# Altium PCB XTIDA-010086.PcbDoc (part 5 of 17)
Units mm, origin at the board's own origin, x right, y up, seen from the top; angles counter-clockwise.
Board outline 375 x 210 mm, 6 copper layers (Top Layer, GND Layer, Signal Layer 1, Signal Layer 2, Power Layer, Bottom Layer), stack 1.575 mm thick; 1884 components, 1036 nets, 4948 pads, 6791 vias.
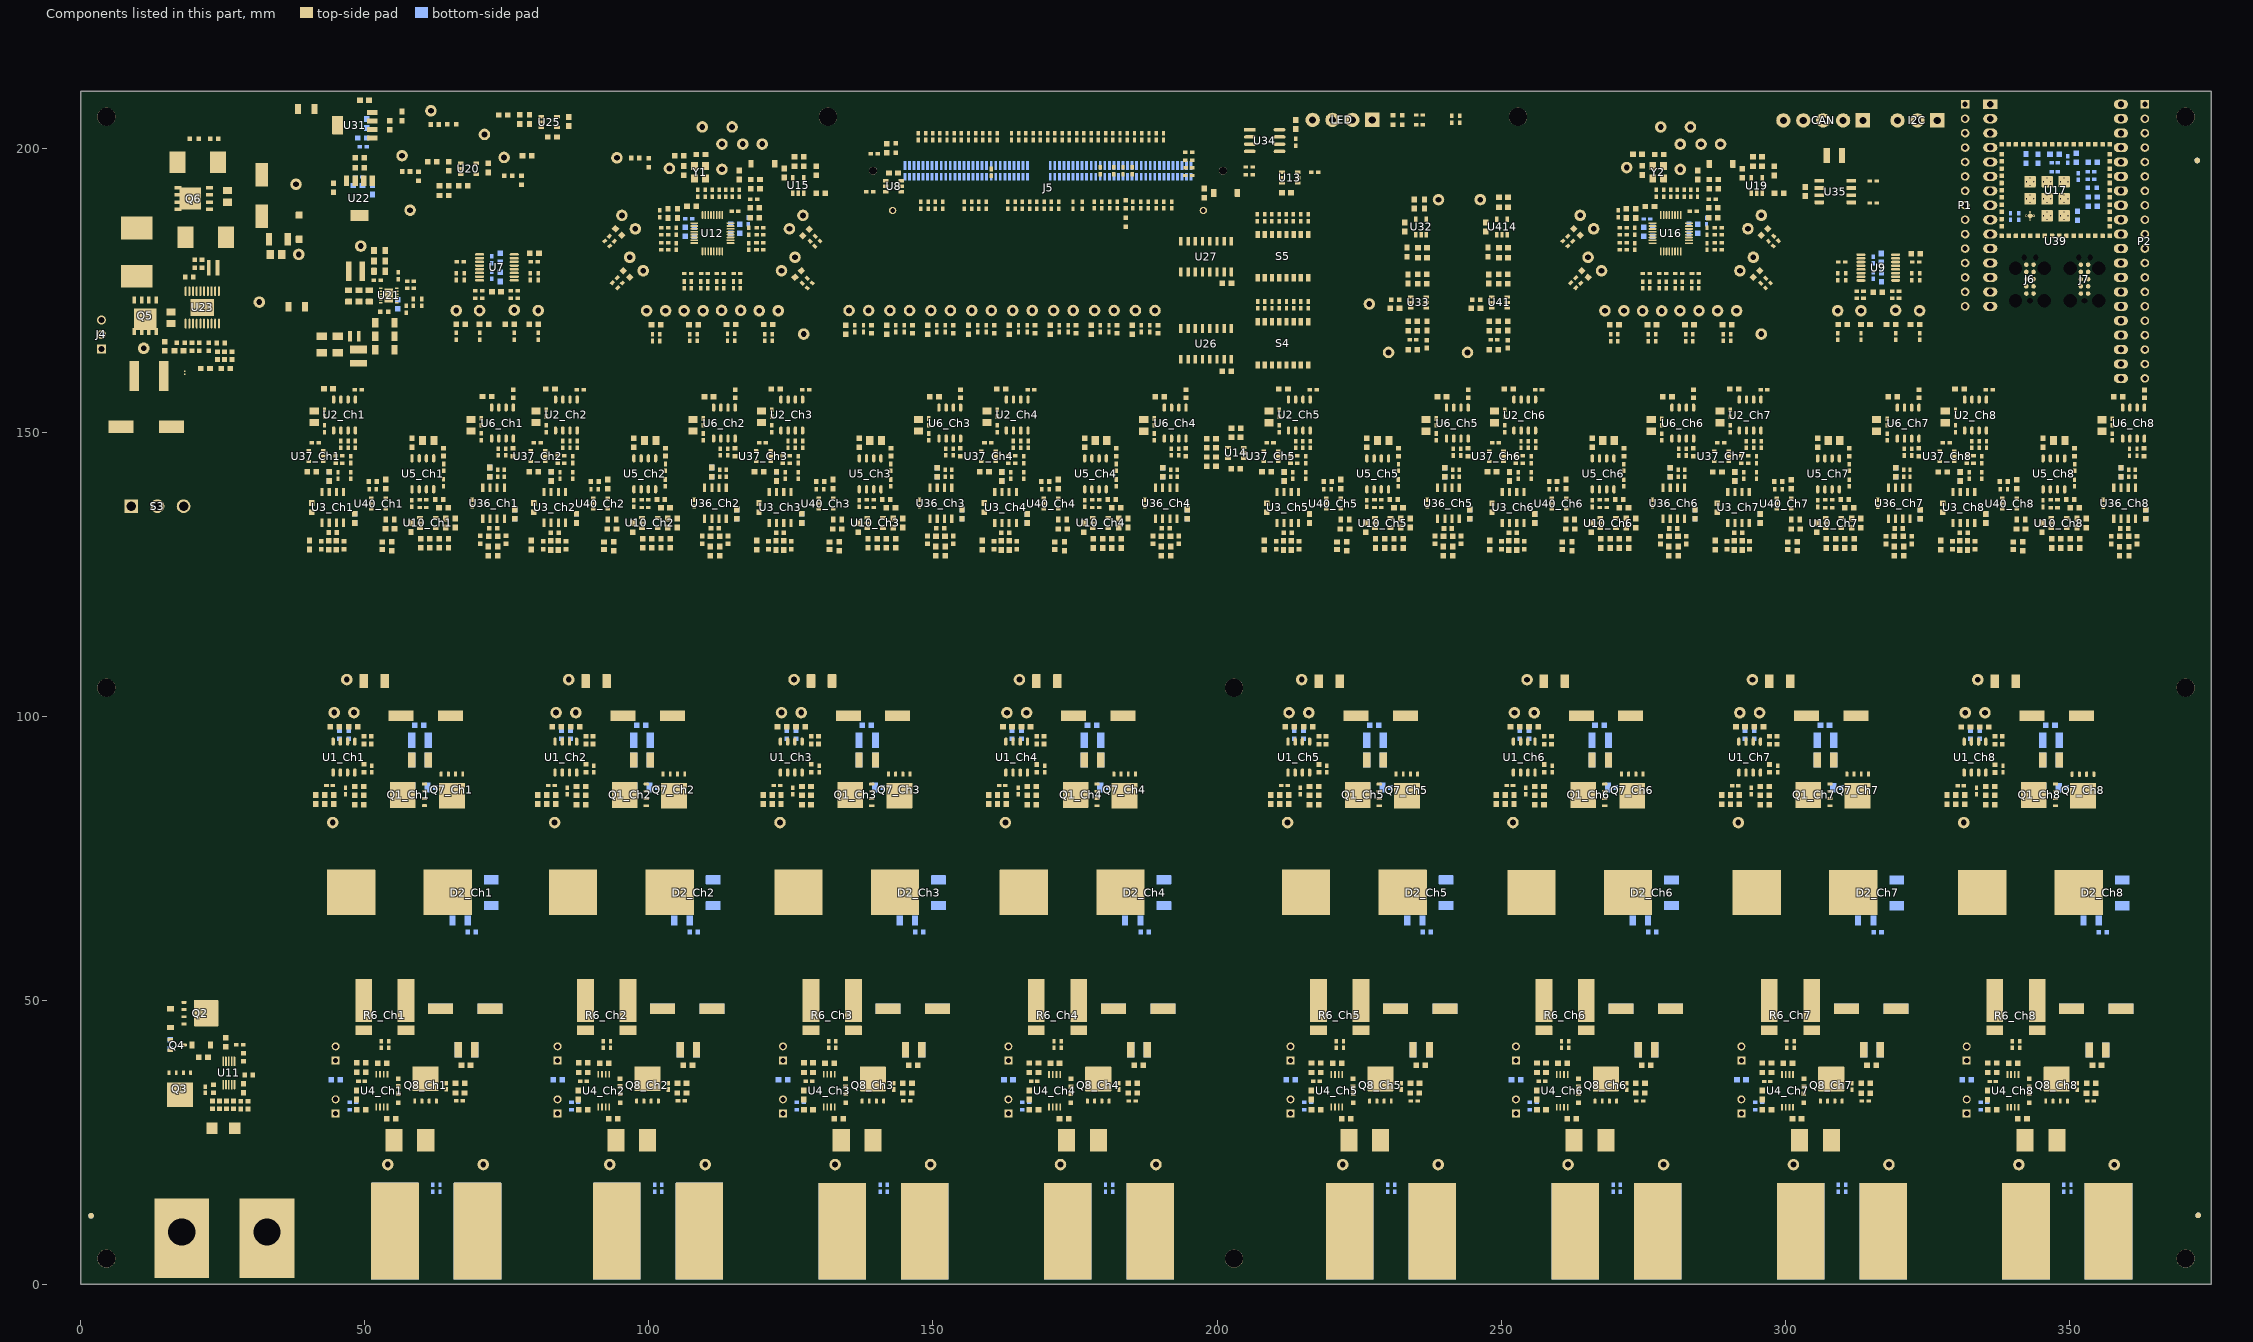
[diagram p9: the components of this part, seen from the top]

## Components (designator, comment, footprint, x,y, rotation, side; value= is the part's Value field where it differs from the comment) (continued)
U37_Ch2 "OPA320AIDBVR" DBV0005A_L#1 80.459,145.751 r180 top (schematic designator U37)
U37_Ch3 "OPA320AIDBVR" DBV0005A_L#1 120.134,145.749 r180 top (schematic designator U37)
U37_Ch4 "OPA320AIDBVR" DBV0005A_L#1 159.809,145.747 r180 top (schematic designator U37)
U37_Ch5 "OPA320AIDBVR" DBV0005A_L#1 209.484,145.745 r180 top (schematic designator U37)
U37_Ch6 "OPA320AIDBVR" DBV0005A_L#1 249.158,145.743 r180 top (schematic designator U37)
U37_Ch7 "OPA320AIDBVR" DBV0005A_L#1 288.833,145.741 r180 top (schematic designator U37)
U37_Ch8 "OPA320AIDBVR" DBV0005A_L#1 328.508,145.739 r180 top (schematic designator U37)
U39 "ESP32 LOLIN32 V1.0.0" ESP32_LOLIN32_V1 336.118,207.696 r0 top
U40_Ch1 "TLV9001IDBVR" DBV0005A_L#2 52.4,137.414 r0 top value=Value (schematic designator U40)
U40_Ch2 "TLV9001IDBVR" DBV0005A_L#2 91.465,137.412 r0 top value=Value (schematic designator U40)
U40_Ch3 "TLV9001IDBVR" DBV0005A_L#2 131.14,137.41 r0 top value=Value (schematic designator U40)
U40_Ch4 "TLV9001IDBVR" DBV0005A_L#2 170.815,137.408 r0 top value=Value (schematic designator U40)
U40_Ch5 "TLV9001IDBVR" DBV0005A_L#2 220.49,137.406 r0 top value=Value (schematic designator U40)
U40_Ch6 "TLV9001IDBVR" DBV0005A_L#2 260.165,137.404 r0 top value=Value (schematic designator U40)
U40_Ch7 "TLV9001IDBVR" DBV0005A_L#2 299.839,137.402 r0 top value=Value (schematic designator U40)
U40_Ch8 "TLV9001IDBVR" DBV0005A_L#2 339.514,137.4 r0 top value=Value (schematic designator U40)
U41 "OPA837IDBVR" DBV6_TEX 249.713,172.811 r180 top
U414 "OPA378AIDBVT" DBV0005A_N#1 250.17,186.095 r90 top
Y1 "SIT8924BA-22-33E-8.192000G" SITIME_SIT8924B_2 108.994,195.733 r0 top
Y2 "SIT8924BA-22-33E-8.192000G" SITIME_SIT8924B_2 277.668,195.75 r0 top
ZZ1 "This Assembly Note is for PCB labels only" ASSEMBLYNOTELABEL 11.862,232.664 r0 top
ZZ2 "These assemblies are ESD sensitive, ESD precautions shall be observed." ASSEMBLYNOTE 11.887,230.886 r0 top
ZZ3 "These assemblies must be clean and free from flux and all contaminants. Use of no clean flux is not acceptable." ASSEMBLYNOTE 11.913,229.235 r0 top
ZZ4 "These assemblies must comply with workmanship standards IPC-A-610 Class 2, unless otherwise specified." ASSEMBLYNOTE 11.938,227.533 r0 top

## Footprints (in the part's own frame and the unit in brackets; to place one, negate y for a bottom-side part, rotate by r counter-clockwise, add the part's x,y. Pads: shape width x height; smd on the part's side, far side on the other; paste and mask are expansions set on the pad)
14-1210 [mm] "Chip Resistor, Body 3.2x2.5mm, IPC High Density"
  rect 1.1x2.6 smd: 1(-1.35,0) 2(1.35,0)
  silkscreen extent -0.4,-1.2 0.4,1.2, body extent -1.68,-1.32 1.68,1.32, height 0.9
0402 [mm] "0402 from SM-752 data"
  rect 0.8x0.6 smd: 1(-0.6,0) 2(0.6,0)
  silkscreen extent -1.22,-0.52 1.22,0.52, body extent -0.55,-0.3 0.55,0.3, height 0.6
0603 [mm] "0603 from SM-752 data"
  rect 1x0.95 smd: 1(-0.8,0) 2(0.8,0)
  silkscreen extent -1.52,-0.69 1.52,0.69, body extent -0.87,-0.47 0.87,0.47, height 1
0603_HV [mil] "Ernesto recommended land pattern.  26 mil between pads."
  rect 30x30 smd: 1(-28,0) 2(28,0)
  silkscreen extent -52,-24 52,24, body extent -34,-19 34,19, height 39
0603C [mm]
  rect 0.8x0.8 smd paste-10: 1(-0.8,0) 2(0.8,0)
  silkscreen extent -1.45,-0.65 1.45,0.65, body extent -0.8,-0.4 0.8,0.41, height 1.02
0603L [mm] "0603 from SM-752 data"
  rect 0.8x0.85 smd: 1(-0.7,0) 2(0.7,0)
  silkscreen extent -0.07,-0.32 0.07,0.32, body extent -0.87,-0.47 0.87,0.47, height 1
0603R [mm]
  rect 0.8x0.8 smd paste-10: 1(-0.8,0) 2(0.8,0)
  silkscreen extent -1.45,-0.65 1.45,0.65, body extent -0.8,-0.4 0.8,0.4, height 0.45
0612 [mm] "Panasonic recommended land pattern, fb97d03ed01.pdf dated April 2008"
  rect 0.65x2.75 smd: 1(-0.775,0) 2(0.775,0)
  silkscreen extent -1.1,-1.9 1.1,1.9, body extent -0.9,-1.7 0.9,1.7, height 0.85
0805_HV [mil] "0805 with 30mil clearance between pads"
  rect 50x63 smd: 1(-40,0) 2(40,0)
  silkscreen extent -74,-40 74,40, body extent -43,-29 43,29, height 57
0805_HV1 [mm] "Custom footprint based on analyzing multiple manufacturer recommendations"
  rrect10% 1x1.25 smd: 1(-1,0) 2(1,0)
  silkscreen extent -0.2,-0.75 0.2,0.75, body extent -1.1,-0.72 1.1,0.73, height 1.45
1206 [mm] "1206 from SM-752 data"
  rect 1.3x1.85 smd: 1(-1.45,0) 2(1.45,0)
  silkscreen extent -2.4,-1.21 2.4,1.21, body extent -1.7,-0.9 1.7,0.9, height 1.35
1206_190 [mm] "1206_190"
  rect 1.1x1.6 smd: 1(-1.7,0) 2(1.7,0)
  silkscreen extent -0.9,-1 0.9,1, body extent -1.75,-0.95 1.75,0.95, height 1.9
1206L [mm] "1206 from SM-752 data"
  rect 1.1x1.75 smd: 1(-1.35,0) 2(1.35,0)
  silkscreen extent -0.4,-0.77 0.4,0.77, body extent -1.7,-0.9 1.7,0.9, height 1.35
1210_270 [mm] "1210"
  rect 1.3x2.7 smd: 1(-1.45,0) 2(1.45,0)
  silkscreen extent -2.32,-1.57 2.32,1.57, body extent -1.7,-1.35 1.7,1.35, height 2.7
1210_280 [mm] "SMD, 2-Leads, Body 3.6x2.8mm, Height 2.8mm"
  rect 1.1x2.2 smd: 1(-1.65,0) 2(1.65,0)
  silkscreen extent -0.84,-1.4 0.84,1.4, body extent -1.8,-1.4 1.8,1.4, height 2.8
1806_HIGHSPEED [mm] "Wurth recommended land pattern"
  rrect8% 1.25x1.2 smd: 1(-2.125,0) 2(2.125,0)
  silkscreen extent -1.5,-1 1.5,1, body extent -2.25,-0.8 2.25,0.8, height 1.61
2220_250 [mm] "2220"
  rect 1.6x5.3 smd: 1(-2.6,0) 2(2.6,0)
  silkscreen extent -3.69,-2.94 3.69,2.94, body extent -2.95,-2.62 2.95,2.62, height 2.5
5108 [mm] "Keystone"
  rect 1.01x1.73 smd: 1(-1.445,0) 2(1.445,0)
  body extent -1.52,-0.85 1.52,0.85, height 0.71
6125FA [mm] "Cooper Bussman 6125FA Brick Fuses, recommended land pattern OC-2531 Rev. I 3/07"
  rect 3x4 smd: 1(-2.8,0) 2(2.8,0)
  silkscreen extent -4.57,-2.27 4.57,2.27, body extent -3.17,-1.42 3.17,1.41, height 2.84
ASSEMBLYNOTE [mm] "Assembly Note"
ASSEMBLYNOTELABEL [mm] "Assembly Note for PCB Labels"
CAPSMT_62_F12 [mm] "F12, SMD, 2-Leads, Body 10.5x10.5mm, Height 12.7mm"
  rect 4.4x1.9 smd: 1(-4.35,0) 2(4.35,0)
  silkscreen extent -5.25,-5.25 5.25,5.25, body extent -5.25,-5.25 5.25,5.25, height 12.71
CAPSMT_62_HC0 [mm] "8 x 12mm:  Chemi-Con HC0"
  rect 4.2x2.2 smd: 1(-3.638,0.012) 2(3.662,0.012)
  silkscreen extent -4.24,-4.24 4.26,4.26, body extent -4.24,-4.24 4.26,4.26, height 12.5
CAPSMT_62_JA0 [mm] "10 x 10mm:  Chemi-Con JA0"
  rect 4.4x2.2 smd: 1(-4.45,0) 2(4.45,0)
  silkscreen extent -5.25,-5.25 5.25,5.25, body extent -5.25,-5.25 5.25,5.25, height 10.5
CB35-36-CY [mil] "Terminal 50A Lug"
  rect 550x380 hole 188 copper offset -45,0 paste-190: 1(0,0)
  body extent -960,-189 230,191, height 614
CC3220MODASF12MONR [mm]
  rrect12% 0.8x0.8 smd paste-0.03: 1(-11.774,9.525) 2(-11.774,8.255) 3(-11.774,6.985) 4(-11.774,5.715) 5(-11.774,4.445) 6(-11.774,3.175) 7(-11.774,1.905) 8(-11.774,0.635) 9(-11.774,-0.635) 10(-11.774,-1.905) 11(-11.774,-3.175) 12(-11.774,-4.445) 13(-11.774,-5.715) 14(-11.774,-6.985) 15(-11.774,-8.255) 16(-11.774,-9.525) 17(-10.074,-9.524) 18(-8.804,-9.524) 19(-7.534,-9.524) 20(-6.264,-9.524) 21(-4.994,-9.524) 22(-3.724,-9.524) 23(-2.454,-9.524) 24(-1.184,-9.524) 25(0.086,-9.524) 26(1.356,-9.524) 27(2.626,-9.524) 28(4.326,-9.525) 29(4.326,-8.255) 30(4.326,-6.985) 31(4.326,-5.715) 32(4.326,-4.445) 33(4.326,-3.175) 34(4.326,-1.905) 35(4.326,-0.635) 36(4.326,0.635) 37(4.326,1.905) 38(4.326,3.175) 39(4.326,4.445) 40(4.326,5.715) 41(4.326,6.985) 42(4.326,8.255) 43(4.326,9.525) 44(2.626,9.524) 45(1.356,9.524) 46(0.086,9.524) 47(-1.184,9.524) 48(-2.454,9.524) 49(-3.724,9.524) 50(-4.994,9.524) 51(-6.264,9.524) 52(-7.534,9.524) 53(-8.804,9.524) 54(-10.074,9.524)
  round 0.4 hole 0.2 mask+0.102: PAD(-8.874,-1.5) PAD(-8.874,1.5) PAD(-8.874,4.5) PAD(-8.224,-2.15) PAD(-8.224,-0.85) PAD(-8.224,0.85) PAD(-8.224,2.15) PAD(-8.224,3.85) PAD(-8.224,5.15) PAD(-7.574,-1.5) PAD(-7.574,1.5) PAD(-7.574,4.5) PAD(-5.874,-1.5) PAD(-5.874,1.5) PAD(-5.874,4.5) PAD(-5.224,-2.15) PAD(-5.224,-0.85) PAD(-5.224,0.85) PAD(-5.224,2.15) PAD(-5.224,3.85) PAD(-5.224,5.15) PAD(-4.574,-1.5) PAD(-4.574,1.5) PAD(-4.574,4.5) PAD(-2.874,4.5) PAD(-2.874,-1.5) PAD(-2.874,1.5) PAD(-2.224,3.85) PAD(-2.224,5.15) PAD(-2.224,-2.15) PAD(-2.224,-0.85) PAD(-2.224,0.85) PAD(-2.224,2.15) PAD(-1.574,4.5) PAD(-1.574,1.5) PAD(-1.574,-1.5)
  round 0.8 smd paste-0.1 mask+0: PAD(-8.225,4.475)
  rrect12% 2x2 smd paste-0.1 mask+0: PAD(-8.224,-1.5) PAD(-8.224,1.5) PAD(-5.224,-1.5) PAD(-5.224,1.5) PAD(-5.224,4.5) PAD(-2.224,4.5) PAD(-2.224,-1.5) PAD(-2.224,1.5)
  Top Layer region: -9.274,-2.55 -1.174,-2.55 -1.174,5.55 -9.274,5.55
  Top Layer region: -9.2,3.526 -9.15,3.5 -9.125,3.5 -9.075,3.5 -7.35,3.5 -7.3,3.5 -7.249,3.526 -7.225,3.575 -7.225,3.625 -7.225,5.425 -7.249,5.474 -7.3,5.5 -7.35,5.5 -8.524,5.5 -9.225,4.798 -9.225,3.65 -9.225,3.6 -9.225,3.575
  body extent -12.65,-10.4 12.65,10.4, height 2.4
CE_MARK_5MM [mm] "Minimum text height for CE Mark"
  silkscreen extent -3.5,-2.51 3.5,2.51
CSM3637Z [mm] "SMD, 4-Leads, Body 9.398x9.144mm"
  rrect3% 7.62x2.95 smd: 1(-1.145,3.735) 2(-1.145,-3.735)
  rrect6% 1.68x2.95 smd: 3(4.115,3.735) 4(4.115,-3.735)
  silkscreen extent -4.83,-1.9 4.83,1.9, body extent -4.83,-4.7 4.83,4.7, height 0.89
D0008A_M [mm] "SOIC, 8-Leads, Body 5x4mm, Pitch 1.27mm, IPC Low Density"
  rrect15% 1.65x0.65 smd: 1(-2.825,1.905) 2(-2.825,0.635) 3(-2.825,-0.635) 4(-2.825,-1.905) 5(2.825,-1.905) 6(2.825,-0.635) 7(2.825,0.635) 8(2.825,1.905)
  silkscreen extent -2.95,-2.5 1.6,2.9, body extent -3,-2.45 3,2.45, height 1.63
D0008A_N [mm] "SOIC, 8-Leads, Body 4.9x3.9mm, Pitch 1.27mm, IPC Medium Density"
  oval 1.45x0.6 smd: 1(-2.725,1.905) 2(-2.725,0.635) 3(-2.725,-0.635) 4(-2.725,-1.905) 5(2.725,-1.905) 6(2.725,-0.635) 7(2.725,0.635) 8(2.725,1.905)
  silkscreen extent -3.3,-2.5 0.9,2.5, body extent -3,-2.45 3,2.45, height 1.63
D0016A-MFG [mm]
  rrect17% 1.55x0.6 smd paste-1000 mask+0: 1(-2.7,4.445) 2(-2.7,3.175) 3(-2.7,1.905) 4(-2.7,0.635) 5(-2.7,-0.635) 6(-2.7,-1.905) 7(-2.7,-3.175) 8(-2.7,-4.445) 9(2.7,-4.445) 10(2.7,-3.175) 11(2.7,-1.905) 12(2.7,-0.635) 13(2.7,0.635) 14(2.7,1.905) 15(2.7,3.175) 16(2.7,4.445)
  silkscreen extent -4.17,-5 1.55,5, body extent -3.57,-5.25 3.57,5.25, height 0.25
DBV0005A_L#1 [mm] "SOT23, 5-Leads, Body 3.05x1.75mm, Pitch 0.95mm, IPC High Density"
  rrect18% 0.8x0.55 smd: 1(-1.275,0.95) 2(-1.275,0) 3(-1.275,-0.95) 4(1.275,-0.95) 5(1.275,0.95)
  silkscreen extent -1.4,-1.55 0.5,1.9, body extent -1.42,-1.46 1.42,1.46, height 1.08
DBV0005A_L#2 [mm] "SOT23, 5-Leads, Body 3.05x1.75mm, Pitch 0.95mm, IPC High Density"
  rrect18% 0.8x0.55 smd paste+0 mask+0: 1(-1.275,0.95) 2(-1.275,0) 3(-1.275,-0.95) 4(1.275,-0.95) 5(1.275,0.95)
  silkscreen extent -1.4,-1.55 0.5,1.9, body extent -1.42,-1.46 1.42,1.46, height 1.08
DBV0005A_N#1 [mm] "SOT23, 5-Leads, Body 2.9x1.6mm, Pitch 0.95mm, Lead Span 2.8mm, IPC Medium Density"
  rrect17% 1x0.6 smd paste+0 mask+0: 1(-1.375,0.95) 2(-1.375,0) 3(-1.375,-0.95) 4(1.375,-0.95) 5(1.375,0.95)
  silkscreen extent -1.63,-1.55 0.38,1.55, body extent -1.42,-1.46 1.42,1.46, height 1.09
DBV0005A_N#2 [mm] "SOT23, 5-Leads, Body 2.9x1.6mm, Pitch 0.95mm, Lead Span 2.8mm, IPC Medium Density"
  rrect17% 1x0.6 smd: 1(-1.375,0.95) 2(-1.375,0) 3(-1.375,-0.95) 4(1.375,-0.95) 5(1.375,0.95)
  silkscreen extent -1.63,-1.55 0.38,1.55, body extent -1.42,-1.46 1.42,1.46, height 1.09
DBV6_TEX [mil]
  rect 38.5x22 smd paste+0 mask+0: 1(-53.75,37.4) 2(-53.75,0) 3(-53.75,-37.4) 4(53.75,-37.4) 5(53.75,0) 6(53.75,37.4)
  silkscreen extent -40,-65 40,65, body extent -55,-57 55,57, height 47
DBV0006A_N [mm] "SOT23, 6-Leads, Body 3.05x1.75mm, Pitch 0.95mm, IPC Medium Density"
  rrect17% 1x0.6 smd: 1(-1.375,0.95) 2(-1.375,0) 3(-1.375,-0.95) 4(1.375,-0.95) 5(1.375,0) 6(1.375,0.95)
  silkscreen extent -1.5,-1.55 0.5,1.92, body extent -1.42,-1.46 1.42,1.46, height 1.11
DNK0008A [mm] "SON, 8-Leads, Body 5x6mm"
  rrect39% 0.86x0.51 smd paste-0.05 mask-0.05: 1(-2.82,1.905) 2(-2.82,0.635) 3(-2.82,-0.635) 4(-2.82,-1.905) 5(2.82,-1.905) 6(2.82,-0.635) 7(2.82,0.635) 8(2.82,1.905)
  rrect50% 1.48x1.27 on Top Paste: 9(-0.18,-1.47) 9(-0.18,0) 9(-0.18,1.47) 9(1.5,-1.47) 9(1.5,0) 9(1.5,1.47)
  rrect5% 4.34x4.6 smd paste-3 mask-0.05: 9(1.08,0)
  silkscreen extent -3.2,-2.7 3.2,2.7, body extent -3.05,-2.55 3.05,2.55, height 1.05
DPAK [mm] "D-PAK, 3-Pads, Body 6.22x6.73mm (max), TO-252AA using nominal STEP model"
  rrect6% 2.6x1.6 smd: 1(-3.4,2.28) 3(-3.4,-2.28)
  rrect2% 6.2x5.8 smd paste-2.9: 4(3.4,0)
  silkscreen extent -4.5,-3.3 4.7,3.28, body extent -3.86,-3.29 5.84,3.29, height 2.48
DQJ0008A [mm] "SMD, 8-Leads, Body 5.75x4.9mm"
  rrect39% 0.91x0.51 smd paste-0.05 mask-0.05: 1(-2.795,1.905) 2(-2.795,0.635) 3(-2.795,-0.635) 4(-2.795,-1.905) 5(2.795,-1.905) 6(2.795,-0.635) 7(2.795,0.635) 8(2.795,1.905)
  rrect50% 1.58x1.25 on Top Paste: 9(-0.38,1.45) 9(-0.38,0) 9(-0.38,-1.45) 9(1.4,1.45) 9(1.4,0) 9(1.4,-1.45)
  rrect50% 3.48x4.47 on Top Solder: 9(0.55,0)
  rrect2% 4.49x4.57 smd paste-2.5 mask-2.5: 9(1.005,0)
  silkscreen extent -3,-2.6 3,2.6, body extent -3.13,-2.45 3.13,2.45, height 1.15
DRR0012C [mm] "SON, 12-Leads, Body 3x3mm, Pitch 0.5mm, Thermal Pad 1.5x2.5mm"
  rrect40% 0.6x0.25 smd: 1(-1.4,1.25) 2(-1.4,0.75) 3(-1.4,0.25) 4(-1.4,-0.25) 5(-1.4,-0.75) 6(-1.4,-1.25) 7(1.4,-1.25) 8(1.4,-0.75) 9(1.4,-0.25) 10(1.4,0.25) 11(1.4,0.75) 12(1.4,1.25)
  rrect50% 1.38x1.11 on Top Paste: 13(0,0.66) 13(0,-0.66)
  rrect7% 1.5x2.5 smd paste-1.7: 13(0,0)
  silkscreen extent -1.6,-1.65 1.6,1.65, body extent -1.55,-1.55 1.55,1.55, height 0.8
ESD_OVERLAY_MEDIUM [mm]
  silkscreen extent -3.22,-2.77 3.17,2.8
ESP32_LOLIN32_V1 [mm] "WeMos LOLIN32 ESP32 Module"
  rect 2.5x1.6 / inner rect 2x1.2 / far side rect 2x1 hole 1.1: 1(0,0)
  oval 2.5x1.6 / inner oval 2x1.2 / far side oval 2x1 hole 1.1: 2(0,-2.54) 3(0,-5.08) 4(0,-7.62) 5(0,-10.16) 6(0,-12.7) 7(0,-15.24) 8(0,-17.78) 9(0,-20.32) 10(0,-22.86) 11(0,-25.4) 12(0,-27.94) 13(0,-30.48) 14(0,-33.02) 15(0,-35.56) 16(23,0) 17(23,-2.54) 17(23,-2.54) 18(23,-5.08) 19(23,-7.62) 20(23,-10.16) 21(23,-12.7) 22(23,-15.24) 23(23,-17.78) 24(23,-20.32) 25(23,-22.86) 26(23,-25.4) 27(23,-27.94) 28(23,-30.48) 29(23,-33.02) 30(23,-35.56) 31(23,-38.1) 32(23,-40.64) 33(23,-43.18) 34(23,-45.72) 35(23,-48.26)
  silkscreen extent -1.9,-52 25,8, body extent -1.34,-51.19 24.2,7.59, height 8.35
F95_B [mm] "AVX F95 series, size B"
  rect 1.4x3 smd: 1(-1.25,0)
  rect 1.1x3 smd: 2(1.2,0)
  silkscreen extent -0.33,-1.73 1.25,1.73, body extent -2.03,-1.5 1.67,1.5, height 2
FCC_DISCLAIMER [mm]
FIDUCIAL10-20 [mm]
  round 1 smd mask+0.5: 1(0,0)
  Top Layer keep-out circle w1.178: c0,0 r0.5
FP-51-85066-IPC_A [mil]
  rect 81.56x23.79 smd paste+0 mask+0: 1(-103,75)
  rrect100% 81.56x23.79 smd paste+0 mask+0: 2(-103,25) 3(-103,-25) 4(-103,-75) 5(103,-75) 6(103,-25) 7(103,25) 8(103,75)
  silkscreen extent -172,-96 43,96, body extent -163,-116 163,116, height 10
FP-CB25-18-CY_CONN_TERM_LUG_25MM4_7MM9-MFG [mil]
  rrect1% 670x330 smd paste+0 mask+0: 1(175,0)
  rrect1% 670x330 smd far side paste-39370.1 mask+0: 1(175,0)
  silkscreen extent 0,-180 525,180, body extent -164,-169 514,169, height 10
HDR1X15 [mm] "Connector; Header; 15 Position"
  rect 1.5x1.5 hole 0.9: 1(0,0)
  round 1.5 hole 0.9: 2(2.54,0) 3(5.08,0) 4(7.62,0) 5(10.16,0) 6(12.7,0) 7(15.24,0) 8(17.78,0) 9(20.32,0) 10(22.86,0) 11(25.4,0) 12(27.94,0) 13(30.48,0) 14(33.02,0) 15(35.56,0)
  silkscreen extent -1.27,-1.27 36.83,1.27
HDR1X20 [mm] "Connector; Header; 20 Position"
  rect 1.5x1.5 hole 0.9: 1(0,0)
  round 1.5 hole 0.9: 2(2.54,0) 3(5.08,0) 4(7.62,0) 5(10.16,0) 6(12.7,0) 7(15.24,0) 8(17.78,0) 9(20.32,0) 10(22.86,0) 11(25.4,0) 12(27.94,0) 13(30.48,0) 14(33.02,0) 15(35.56,0) 16(38.1,0) 17(40.64,0) 18(43.18,0) 19(45.72,0) 20(48.26,0)
  silkscreen extent -1.27,-1.27 49.53,1.27
HSEC8-160-01-X-RA-BL [mm]
  rect 0.5x1.35 smd: 1(-25.2,7.925) 3(-24.4,7.925) 5(-23.6,7.925) 7(-22.8,7.925) 9(-22,7.925) 11(-21.2,7.925) 13(-20.4,7.925) 15(-19.6,7.925) 17(-18.8,7.925) 19(-18,7.925) 21(-17.2,7.925) 23(-16.4,7.925) 25(-15.6,7.925) 27(-14.8,7.925) 29(-14,7.925) 31(-13.2,7.925) 33(-12.4,7.925) 35(-11.6,7.925) 37(-10.8,7.925) 39(-10,7.925) 41(-9.2,7.925) 43(-8.4,7.925) 45(-7.6,7.925) 47(-6.8,7.925) 49(-6,7.925) 51(-5.2,7.925) 53(-4.4,7.925) 55(-3.6,7.925) 57(-2.8,7.925) 59(-2,7.925) 61(-1.2,7.925) 63(-0.4,7.925) 65(3.6,7.925) 67(4.4,7.925) 69(5.2,7.925) 71(6,7.925) 73(6.8,7.925) 75(7.6,7.925) 77(8.4,7.925) 79(9.2,7.925) 81(10,7.925) 83(10.8,7.925) 85(11.6,7.925) 87(12.4,7.925) 89(13.2,7.925) 91(14,7.925) 93(14.8,7.925) 95(15.6,7.925) 97(16.4,7.925) 99(17.2,7.925) 101(18,7.925) 103(18.8,7.925) 105(19.6,7.925) 107(20.4,7.925) 109(21.2,7.925) 111(22,7.925) 113(22.8,7.925) 115(23.6,7.925) 117(24.4,7.925) 119(25.2,7.925)
  rect 0.5x1.65 smd: 2(-25.2,9.925) 4(-24.4,9.925) 6(-23.6,9.925) 8(-22.8,9.925) 10(-22,9.925) 12(-21.2,9.925) 14(-20.4,9.925) 16(-19.6,9.925) 18(-18.8,9.925) 20(-18,9.925) 22(-17.2,9.925) 24(-16.4,9.925) 26(-15.6,9.925) 28(-14.8,9.925) 30(-14,9.925) 32(-13.2,9.925) 34(-12.4,9.925) 36(-11.6,9.925) 38(-10.8,9.925) 40(-10,9.925) 42(-9.2,9.925) 44(-8.4,9.925) 46(-7.6,9.925) 48(-6.8,9.925) 50(-6,9.925) 52(-5.2,9.925) 54(-4.4,9.925) 56(-3.6,9.925) 58(-2.8,9.925) 60(-2,9.925) 62(-1.2,9.925) 64(-0.4,9.925) 66(3.6,9.925) 68(4.4,9.925) 70(5.2,9.925) 72(6,9.925) 74(6.8,9.925) 76(7.6,9.925) 78(8.4,9.925) 80(9.2,9.925) 82(10,9.925) 84(10.8,9.925) 86(11.6,9.925) 88(12.4,9.925) 90(13.2,9.925) 92(14,9.925) 94(14.8,9.925) 96(15.6,9.925) 98(16.4,9.925) 100(17.2,9.925) 102(18,9.925) 104(18.8,9.925) 106(19.6,9.925) 108(20.4,9.925) 110(21.2,9.925) 112(22,9.925) 114(22.8,9.925) 116(23.6,9.925) 118(24.4,9.925) 120(25.2,9.925)
  round 1.3 hole 0.81: G1(-27.35,2) G2(27.35,2)
  round 1.4 hole 1.4 unplated: ""(-30.775,9) ""(30.775,9)
  silkscreen extent -33.78,-3.9 33.78,11.88, body extent -33.65,-3.89 33.65,11.76, height 6.16
IEC_HOTSURFACE_SMALL [mm]
  silkscreen extent -2.72,-2.36 2.72,2.35
JST_B2B-EH-A [mm] "Header (Shrouded), 2.5mm, 2x1, TH"
  rect 1.4x1.4 hole 0.9: 1(-1.25,0)
  round 1.4 hole 0.9: 2(1.25,0)
  silkscreen extent -4.2,-2.2 3.75,1.6, body extent -3.75,-2.2 3.75,1.6, height 6
KEYSTONE5000 [mil] "For Keystone 500x miniature loop terminals"
  round 80 hole 40: 1(0,0)
  silkscreen extent -52,-52 52,52, body extent -49,-49 49,49, height 182
KEYSTONE5001 [mil] "For Keystone 500x miniature loop terminals"
  round 80 hole 40: 1(0,0)
  silkscreen extent -52,-52 52,52, body extent -49,-49 49,49, height 182
KEYSTONE5002 [mil] "For Keystone 500x miniature loop terminals"
  round 80 hole 40: 1(0,0)
  silkscreen extent -52,-52 52,52, body extent -49,-49 49,49, height 182
KEYSTONE_2205 [mil] "THREAD HEX ALUMINUM STANDOFF 4-40, F-F 1\""
  round 1 on Mech4: 0(0,0)
  body extent -148,-128 148,128, height 1001
LABEL_650X200 [mil] "Thermal Transfer Label"
  round 1 on Mech13: 0(0,0)
  silkscreen extent -325,-100 325,100, body extent -325,-100 325,100, height 1
MAKK2016 [mm] "Taiyo Yuden"
  rect 0.7x1.8 smd: 1(-0.75,0) 2(0.75,0)
  body extent -1.05,-0.85 1.05,0.85, height 1
MOLEX_0022284033 [mm] "Header, 2.54mm, 3x1, TH"
  rect 1.55x1.55 hole 1.02: 1(-2.54,0)
  round 1.55 hole 1.02: 2(0,0) 3(2.54,0)
  silkscreen extent -3.81,-1.24 3.81,1.5, body extent -3.81,-1.24 3.81,1.24, height 8.4
MSS1278 [mm] "Coilcraft recommended land pattern.  Document 598-2 rev 04/04/13"
  rect 4x5.5 smd: 1(-4.25,0) 2(4.25,0)
  silkscreen extent -6.2,-6.2 6.2,6.2, body extent -6.15,-6.15 6.15,6.15, height 8.05
MUB10A_N [mm] "TSSOP, 10-Leads, Body 3x3mm, Pitch 0.5mm, IPC Medium Density"
  oval 1.7x0.3 smd: 1(-2.05,1) 2(-2.05,0.5) 3(-2.05,0) 4(-2.05,-0.5) 5(-2.05,-1) 6(2.05,-1) 7(2.05,-0.5) 8(2.05,0) 9(2.05,0.5) 10(2.05,1)
  silkscreen extent -2.17,-1.6 0.8,1.82, body extent -1.6,-1.6 1.6,1.6, height 1.09
MXA20A_N [mm] "TSOP, 20-Leads, Body 6.5x4.4mm, Pitch 0.65mm, Exposed Pad, IPC Medium Density"
  oval 1.7x0.35 smd: 1(-2.85,2.925) 2(-2.85,2.275) 3(-2.85,1.625) 4(-2.85,0.975) 5(-2.85,0.325) 6(-2.85,-0.325) 7(-2.85,-0.975) 8(-2.85,-1.625) 9(-2.85,-2.275) 10(-2.85,-2.925) 11(2.85,-2.925) 12(2.85,-2.275) 13(2.85,-1.625) 14(2.85,-0.975) 15(2.85,-0.325) 16(2.85,0.325) 17(2.85,0.975) 18(2.85,1.625) 19(2.85,2.275) 20(2.85,2.925)
  rect 3x4.2 smd: 21(0,0)
  silkscreen extent -2.97,-3.3 1.6,3.77, body extent -2.25,-3.3 2.25,3.3, height 1.1
NDC0005A_N [mm] "SOT223, 5-Leads, Body 6.7x3.71mm, Pitch 1.5mm, IPC Medium Density"
  rrect11% 1.9x0.9 smd: 1(-3.05,2.25) 2(-3.05,0.75) 3(-3.05,-0.75) 4(-3.05,-2.25)
  rrect5% 1.9x3.2 smd: 5(3.05,0)
  silkscreen extent -3.17,-3.35 1.8,3.38, body extent -3.48,-3.25 3.48,3.25, height 1.7
NET-TIE_10MIL [mil] "10mil net tie, no solder mask opening, no solder paste"
  rect 10x10 smd paste-5 mask-5: 1(-10,0) 2(10,0)
  Top Layer region: -6,5 6,5 6,-5 -6,-5
"NY PMS 440 0025 PH"#1 [mm] "4-40 nylon screw and mounting hole"
  round 3.2 hole 3.2 unplated mask+0.178: 1(0,0)
  body extent -3.3,-3.3 3.3,3.3, height 2.69
"NY PMS 440 0025 PH"#2 [mm] "4-40 nylon screw and mounting hole"
  round 3.2 hole 3.2 unplated paste+0 mask+0.178: 1(0,0)
  body extent -3.3,-3.3 3.3,3.3, height 2.69
PB-FREE_OVERLAY_SMALL [mm]